# KiCad board uf2-batch-flasher.kicad_pcb (continued)
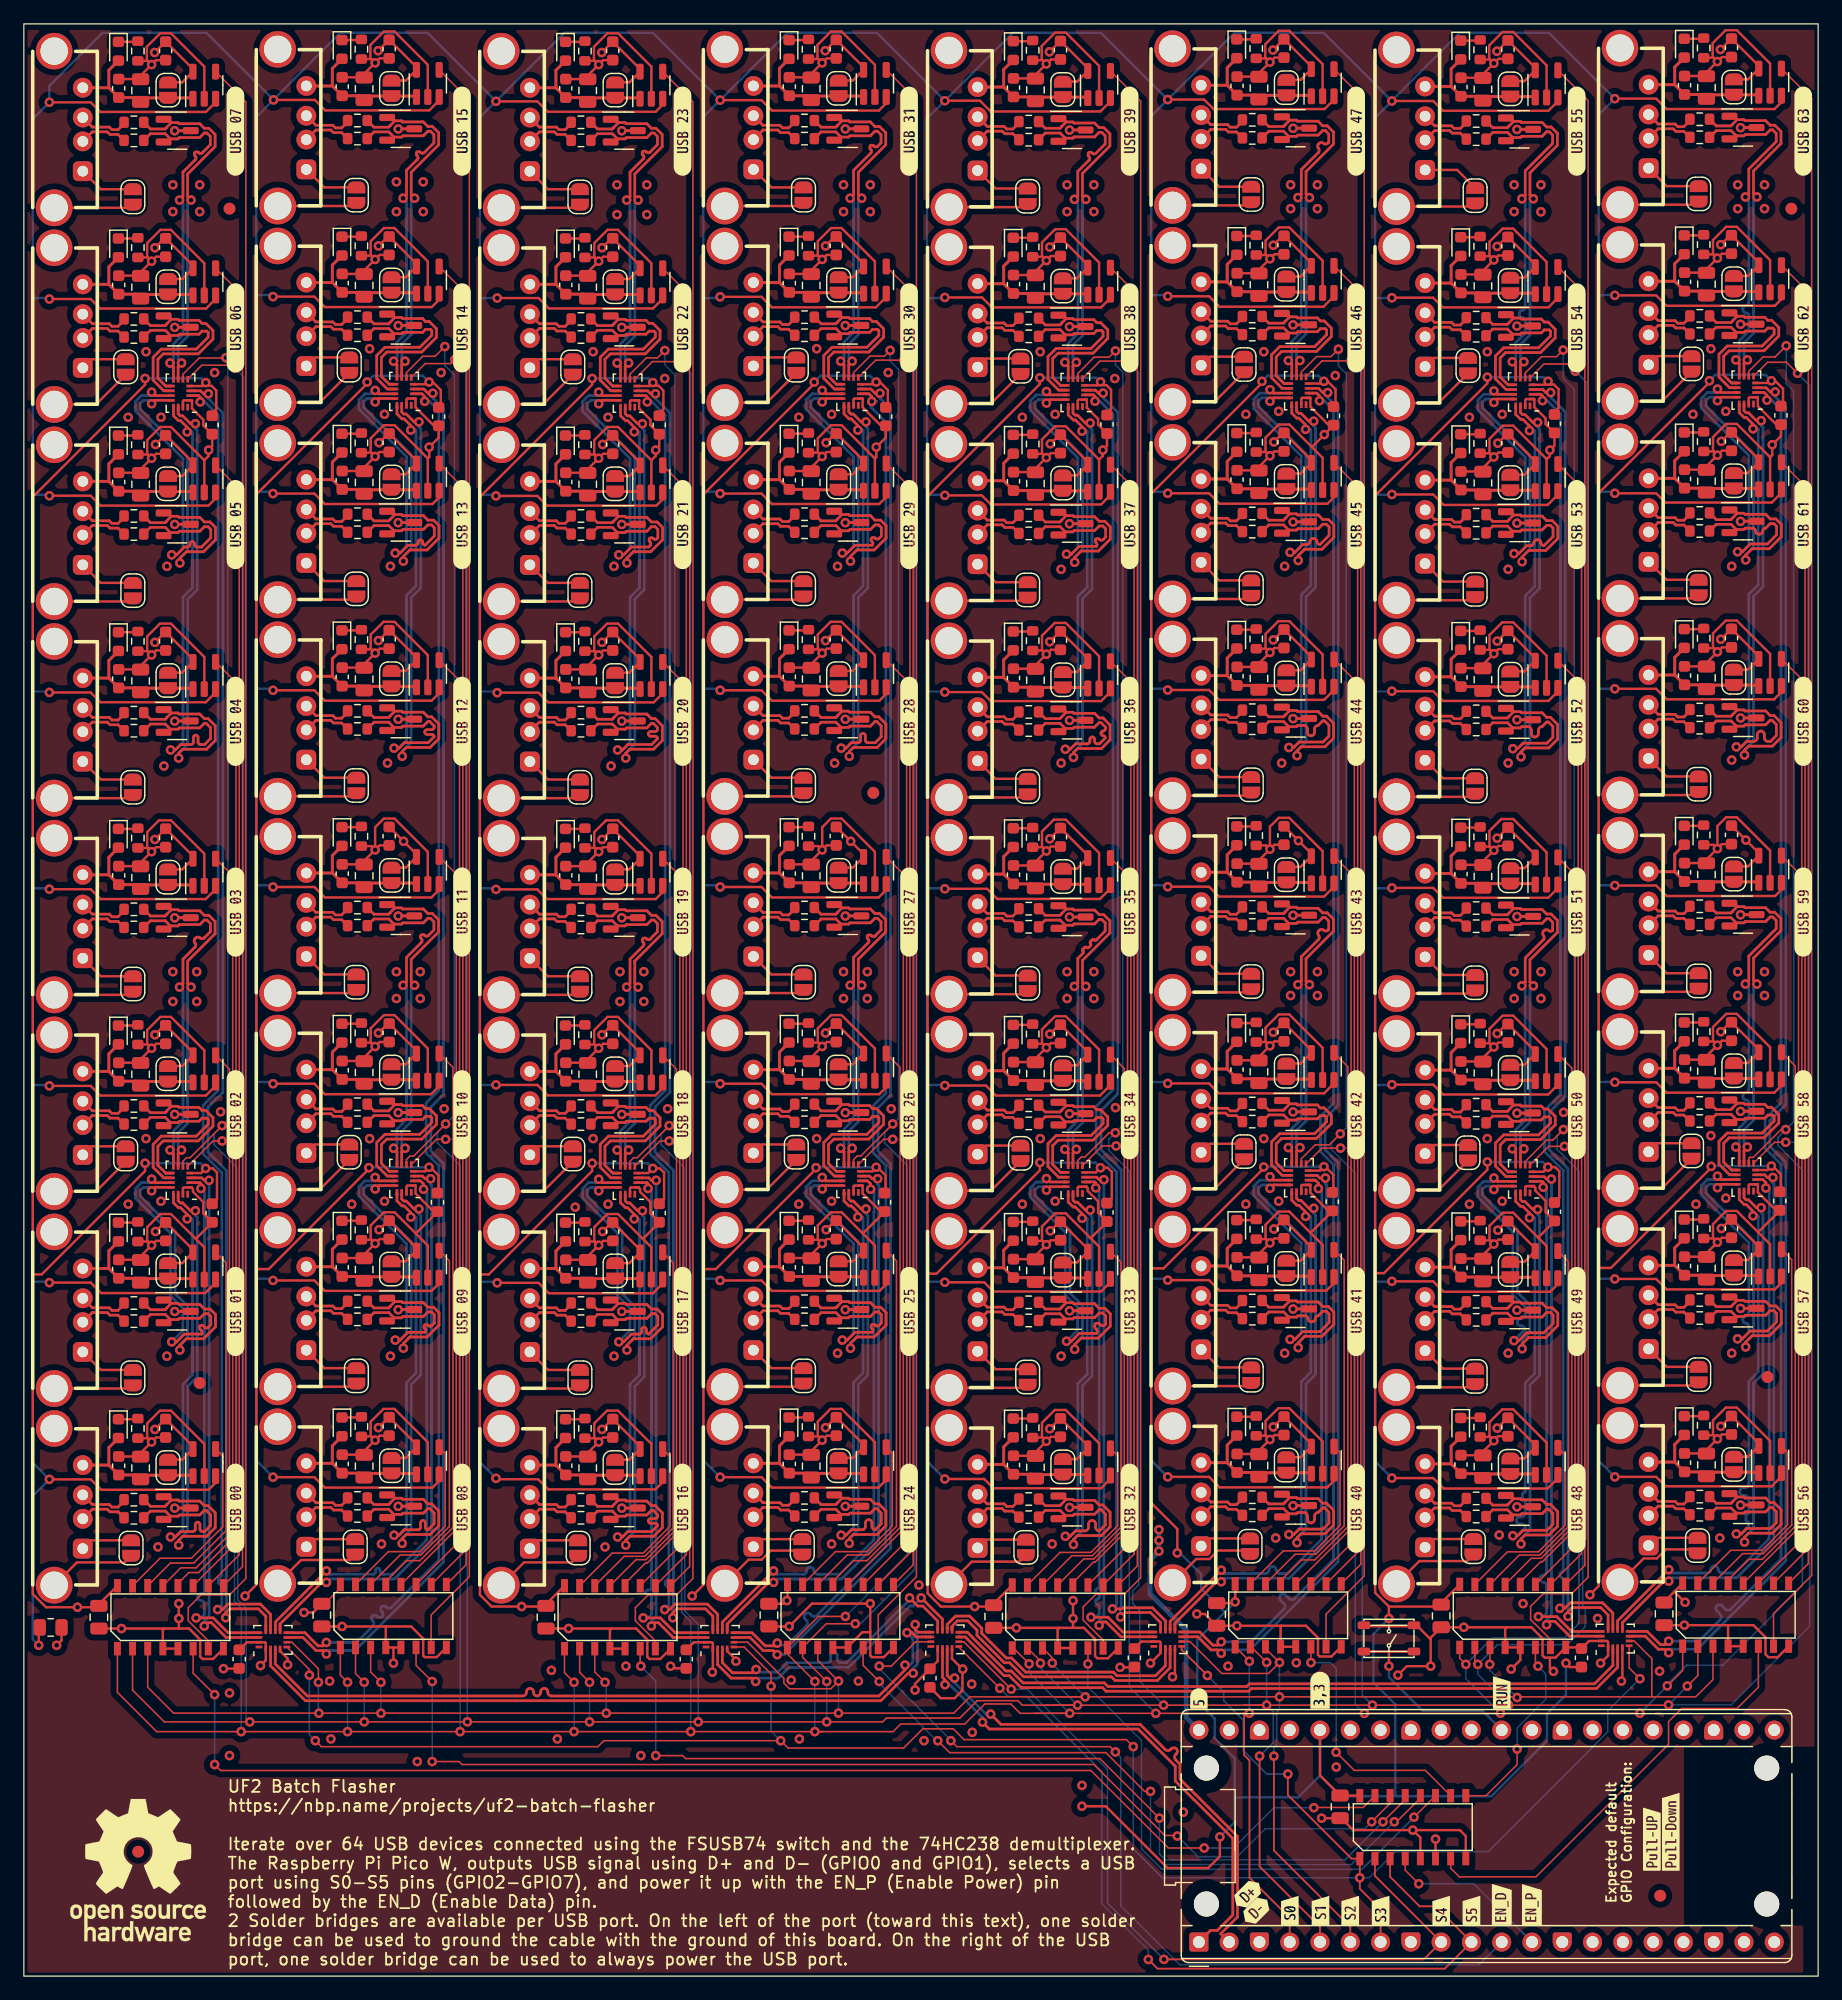
[diagram p0: board, top side]
## Routing (per net, layer and track width the routed paths; a pad name or vN(x,y) marks a point on that pad's centre or on a via; arc(x,y) is an arc through that point) (continued)
/16usb-ports0/EN_04: length 79.7
  Top w0.125: U203.11 17.79,36.34 17.79,108.52 U1001.4
/16usb-ports0/EN_05: length 95.9
  Top w0.125: U901.4 18.07,124.73 18.07,35.35 U203.10
/16usb-ports0/EN_06: length 112.1
  Top w0.125: U1101.4 18.34,140.99 18.34,34.35 U203.9
/16usb-ports0/EN_07: length 137.4
  Top w0.125: U203.7 15.47,28.13 13.79,29.81 13.79,30.91 14.86,31.97 17.24,31.97 18.62,33.35 18.62,157.2 U1201.4
/16usb-ports0/EN_10: length 16.4
  Top w0.125: U202.15 30.58,35.61 33.19,35.61 35.35,37.76 35.35,43.85 U1601.4
/16usb-ports0/EN_11: length 32.1
  Top w0.125: U202.14 31.57,35.33 33.31,35.33 35.69,37.72 35.69,60 U1701.4
/16usb-ports0/EN_12: length 48
  Top w0.125: U202.13 30.36,33.12 32.09,34.85 33.22,34.85 35.99,37.63 35.99,76.22 U1401.4
/16usb-ports0/EN_13: length 63.5
  Top w0.125: U202.12 36.27,37.49 36.27,92.44 U1501.4
/16usb-ports0/EN_14: length 79.7
  Top w0.125: U2201.4 36.54,108.67 36.54,36.49 U202.11
/16usb-ports0/EN_15: length 95.9
  Top w0.125: U202.10 36.82,35.5 36.82,124.88 U2101.4
/16usb-ports0/EN_16: length 112.2
  Top w0.125: U2001.4 37.09,141.14 37.09,34.5 U202.9
/16usb-ports0/EN_17: length 134.7
  Top w0.125: U1901.4 37.37,157.35 37.37,33.5 34.17,30.3 U202.7
/16usb-ports1/4usb-port0/D0+: length 43.7
  Top w0.23: v1(49.8,36.83) 50.2,36.83 50.66,37.29 52.66,37.29 53.16,37.79 arc(53.1,37.93) 52.96,37.99 52.57,37.99 arc(52.43,38.05) 52.37,38.18 arc(52.43,38.32) 52.57,38.38 52.96,38.38 arc(53.1,38.44) 53.16,38.58 53.16,38.7 52.79,39.07 52.64,39.07 52.25,38.68 50.54,38.68 50.43,38.57 49.79,38.57 ; D3602.2 49.53,38.31 49.79,38.57 ; 49.79,38.57 49.36,39.01 48.12,39.01 R3603.2 ; v1(51.2,63.52) 51.2,63.9 50.64,64.46 50.46,64.46 50.05,64.87 50.05,65.42 50.04,65.42 U3101.13
  Bottom w0.23: v1(49.8,36.83) 50.2,36.83 50.85,37.47 50.85,49.64 51.65,50.44 51.65,63.48 51.6,63.52 v1(51.2,63.52)
/16usb-ports1/4usb-port0/D0-: length 43.9
  Top w0.23: 49.87,39.93 49.47,39.54 49.47,39.52 49.35,39.4 48.12,39.4 R3604.2 ; 49.87,39.93 49.59,40.21 D3602.1 ; 49.87,39.93 50.43,39.93 50.52,39.84 52.25,39.84 52.64,39.46 52.96,39.46 53.56,38.86 53.56,37.63 52.82,36.9 50.82,36.9 50.48,36.55 v1(50.48,36.15) ; U3101.14 50.44,65.03 50.62,64.86 50.82,64.86 51.48,64.2 v1(51.88,64.2)
  Bottom w0.23: v1(51.88,64.2) 51.88,63.8 52.04,63.64 52.04,50.28 51.24,49.48 51.24,37.31 50.48,36.55 v1(50.48,36.15)
/16usb-ports1/4usb-port0/D1+: length 30.7
  Top w0.23: U3101.11 49.87,66.55 48.5,66.55 v1(48.22,66.84) ; 49.79,55.07 49.53,54.81 D3402.2 ; 49.79,55.07 49.36,55.5 48.12,55.5 R3403.2 ; 49.79,55.07 50.43,55.07 50.54,55.18 52.26,55.18 52.64,55.56 52.95,55.56 53.18,55.33 53.18,54.63 52.41,53.85 arc(52.27,53.91) 52.21,54.05 52.21,54.23 arc(52.15,54.37) 52.01,54.43 arc(51.87,54.37) 51.81,54.23 51.81,54.05 arc(51.76,53.91) 51.62,53.85 50.96,53.85 50.3,53.2 v1(49.9,53.2)
  Bottom w0.23: v1(48.22,66.84) 47.93,66.55 47.36,66.55 46.86,66.05 46.86,65.26 49.79,62.33 49.79,57.07 50.83,56.03 50.83,54.13 v1(49.9,53.2)
/16usb-ports1/4usb-port0/D1-: length 31
  Top w0.23: v1(48.22,65.87) 48.5,66.16 49.87,66.16 U3101.12 ; D3402.1 49.59,56.71 49.87,56.43 ; R3404.2 48.12,55.9 49.35,55.9 49.47,56.02 49.47,56.03 49.87,56.43 ; 49.87,56.43 50.43,56.43 50.52,56.34 52.26,56.34 52.64,55.96 53.12,55.96 53.57,55.5 53.57,54.46 52.57,53.46 51.12,53.46 50.58,52.92 v1(50.58,52.52)
  Bottom w0.23: v1(50.58,52.52) 50.58,52.92 51.24,53.57 51.24,56.18 50.19,57.23 50.19,62.49 47.26,65.42 47.26,65.89 47.52,66.16 47.93,66.16 v1(48.22,65.87)
/16usb-ports1/4usb-port0/D2+: length 16.2
  Top w0.23: 49.79,71.6 50.43,71.6 50.54,71.71 52.19,71.71 52.44,71.96 52.86,71.96 52.97,71.85 52.97,71.46 51.96,70.45 49.03,70.45 48.35,69.77 48.35,67.85 49.23,66.96 49.45,66.96 49.45,66.96 U3101.10 ; 49.79,71.6 49.36,72.03 48.12,72.03 R3903.2 ; 49.79,71.6 49.53,71.34 D3902.2
/16usb-ports1/4usb-port0/D2-: length 16.5
  Top w0.23: R3904.2 48.12,72.42 49.35,72.42 49.47,72.55 49.47,72.56 49.87,72.96 ; 49.87,72.96 49.59,73.24 D3902.1 ; 49.87,72.96 50.43,72.96 50.52,72.87 52.19,72.87 52.44,72.62 52.76,72.62 53.36,72.01 53.36,71.3 52.12,70.06 49.2,70.06 48.74,69.6 48.74,68.01 49.4,67.35 49.45,67.35 49.45,67.36 U3101.9
/16usb-ports1/4usb-port0/D3+: length 29.7
  Top w0.23: v1(49.76,69.29) 50.05,69 50.05,67.93 U3101.8 ; R4103.2 48.12,88.52 49.36,88.52 49.79,88.09 ; 49.79,88.09 50.43,88.09 50.54,88.2 52.25,88.2 52.64,88.58 52.85,88.58 53.15,88.29 53.15,87.6 52.53,86.98 arc(52.39,86.92) 52.25,86.98 52.2,87.02 arc(52.07,87.08) 51.93,87.02 arc(51.87,86.88) 51.93,86.74 51.97,86.7 arc(52.02,86.56) 51.97,86.42 50.85,85.3 50.85,83.24 v1(50.56,82.96) ; 49.79,88.09 49.53,87.83 D4102.2
  Bottom w0.23: v1(50.56,82.96) 50.85,82.67 50.85,71.69 50.05,70.89 50.05,69.57 v1(49.76,69.29)
/16usb-ports1/4usb-port0/D3-: length 29.9
  Top w0.23: v1(51.53,82.96) 51.24,83.24 51.24,85.14 53.54,87.44 53.54,88.45 53.02,88.98 52.64,88.98 52.25,89.36 50.52,89.36 50.43,89.45 49.87,89.45 ; 49.87,89.45 49.59,89.73 D4102.1 ; 49.87,89.45 49.47,89.05 49.47,89.04 49.35,88.92 48.12,88.92 R4104.2 ; U3101.7 50.44,67.93 50.44,69 v1(50.73,69.29)
  Bottom w0.23: v1(50.73,69.29) 50.44,69.57 50.44,70.73 51.24,71.53 51.24,82.67 v1(51.53,82.96)
/16usb-ports1/4usb-port0/D+: length 44.5
  Top w0.23: U2303.13 56.8,28.81 56.8,28.8 54.63,28.8 53.38,30.05 v1(51.95,30.05) ; v1(52.35,66.07) 52.35,66.47 52.26,66.56 51.84,66.56 51.83,66.56 U3101.2
  Bottom w0.23: v1(51.95,30.05) 52.35,30.05 52.64,30.33 52.64,31.79 arc(52.58,31.93) 52.44,31.99 52.34,31.99 arc(52.2,32.05) 52.14,32.19 arc(52.2,32.32) 52.34,32.38 52.44,32.38 arc(52.58,32.44) 52.64,32.58 52.64,65.78 v1(52.35,66.07)
/16usb-ports1/4usb-port0/D-: length 44.5
  Top w0.23: U2303.14 56.8,28.41 56.8,28.41 54.46,28.41 53.22,29.65 52.92,29.65 v1(52.63,29.37) ; U3101.3 51.83,66.96 51.84,66.95 52.43,66.95 52.63,66.75 v1(53.04,66.75)
  Bottom w0.23: v1(53.04,66.75) 53.04,30.17 52.63,29.77 v1(52.63,29.37)
/16usb-ports1/4usb-port0/usb-port0/Conn_D+: length 4.1
  Top w0.23: J3601.3 43.25,39.17 44.5,39.17 44.72,38.95 45.4,38.95 R3603.1
/16usb-ports1/4usb-port0/usb-port0/Conn_D-: length 4.2
  Top w0.23: R3604.1 45.91,39.85 45.4,39.34 44.88,39.34 44.67,39.56 43.25,39.56 J3601.2
/16usb-ports1/4usb-port0/usb-port1/Conn_D+: length 4.1
  Top w0.23: R3403.1 45.4,55.44 44.72,55.44 44.5,55.66 43.25,55.66 J3401.3
/16usb-ports1/4usb-port0/usb-port1/Conn_D-: length 4.2
  Top w0.23: R3404.1 45.91,56.34 45.4,55.84 44.88,55.84 44.67,56.05 43.25,56.05 J3401.2
/16usb-ports1/4usb-port0/usb-port2/Conn_D+: length 4.1
  Top w0.23: J3901.3 43.25,72.19 44.5,72.19 44.72,71.97 45.4,71.97 R3903.1
/16usb-ports1/4usb-port0/usb-port2/Conn_D-: length 4.2
  Top w0.23: J3901.2 43.25,72.58 44.67,72.58 44.88,72.37 45.4,72.37 45.91,72.87 R3904.1
/16usb-ports1/4usb-port0/usb-port3/Conn_D+: length 4.1
  Top w0.23: R4103.1 45.4,88.46 44.72,88.46 44.5,88.68 43.25,88.68 J4101.3
/16usb-ports1/4usb-port0/usb-port3/Conn_D-: length 4.2
  Top w0.23: R4104.1 45.91,89.36 45.4,88.86 44.88,88.86 44.67,89.07 43.25,89.07 J4101.2
/16usb-ports1/4usb-port1/D0+: length 43.7
  Top w0.23: R2403.2 48.12,105.02 49.36,105.02 49.79,104.59 ; 49.79,104.59 49.53,104.33 D2402.2 ; 49.79,104.59 50.43,104.59 50.54,104.7 52.25,104.7 52.64,105.08 52.79,105.08 53.16,104.71 53.16,104.59 arc(53.1,104.45) 52.96,104.4 52.57,104.4 arc(52.43,104.34) 52.37,104.2 arc(52.43,104.06) 52.57,104 52.96,104 arc(53.1,103.94) 53.16,103.8 52.66,103.3 50.66,103.3 50.2,102.85 v1(49.8,102.85) ; U4001.13 50.04,131.43 50.05,131.43 50.05,130.89 50.46,130.47 50.64,130.47 51.2,129.91 v1(51.2,129.53)
  Bottom w0.23: v1(51.2,129.53) 51.6,129.53 51.65,129.49 51.65,116.45 50.85,115.65 50.85,103.49 50.2,102.85 v1(49.8,102.85)
/16usb-ports1/4usb-port1/D0-: length 43.9
  Top w0.23: 49.87,105.95 49.47,105.55 49.47,105.54 49.35,105.42 48.12,105.42 R2404.2 ; 49.87,105.95 50.43,105.95 50.52,105.86 52.25,105.86 52.64,105.48 52.96,105.48 53.56,104.88 53.56,103.64 52.82,102.91 50.82,102.91 50.48,102.57 v1(50.48,102.17) ; 49.87,105.95 49.59,106.23 D2402.1 ; v1(51.88,130.21) 51.48,130.21 50.82,130.87 50.62,130.87 50.44,131.05 U4001.14
  Bottom w0.23: v1(51.88,130.21) 51.88,129.81 52.04,129.65 52.04,116.29 51.24,115.49 51.24,103.33 50.48,102.57 v1(50.48,102.17)
/16usb-ports1/4usb-port1/D1+: length 30.7
  Top w0.23: v1(49.9,119.21) 50.3,119.21 50.96,119.87 52.41,119.87 52.53,120 arc(52.59,120.14) 52.53,120.27 52.49,120.32 arc(52.44,120.46) 52.49,120.6 arc(52.63,120.65) 52.77,120.6 52.81,120.55 arc(52.95,120.5) 53.09,120.55 53.18,120.64 53.18,121.35 52.95,121.58 52.64,121.58 52.26,121.19 50.54,121.19 50.43,121.08 49.79,121.08 ; U4001.11 49.87,132.57 48.5,132.57 v1(48.22,132.85) ; R3803.2 48.12,121.52 49.36,121.52 49.79,121.08 ; 49.79,121.08 49.53,120.82 D3802.2
  Bottom w0.23: v1(48.22,132.85) 47.93,132.57 47.36,132.57 46.86,132.07 46.86,131.27 50.84,127.29 50.84,119.75 50.3,119.21 v1(49.9,119.21)
/16usb-ports1/4usb-port1/D1-: length 31
  Top w0.23: D3802.1 49.59,122.72 49.87,122.44 ; R3804.2 48.12,121.91 49.35,121.91 49.47,122.03 49.47,122.04 49.87,122.44 ; v1(50.58,118.53) 50.58,118.93 51.12,119.47 52.57,119.47 53.57,120.48 53.57,121.51 53.12,121.97 52.64,121.97 52.26,122.35 50.52,122.35 50.43,122.44 49.87,122.44 ; U4001.12 49.87,132.17 48.5,132.17 v1(48.22,131.89)
  Bottom w0.23: v1(48.22,131.89) 47.93,132.17 47.52,132.17 47.26,131.9 47.26,131.44 51.24,127.46 51.24,119.59 50.58,118.93 v1(50.58,118.53)
/16usb-ports1/4usb-port1/D2+: length 16.2
  Top w0.23: U4001.10 49.45,132.97 49.45,132.97 49.23,132.97 48.35,133.86 48.35,135.78 49.03,136.47 51.96,136.47 52.97,137.47 52.97,137.86 52.86,137.97 52.44,137.97 52.19,137.72 50.54,137.72 50.43,137.61 49.79,137.61 ; D3002.2 49.53,137.35 49.79,137.61 ; 49.79,137.61 49.36,138.04 48.12,138.04 R3003.2
/16usb-ports1/4usb-port1/D2-: length 16.5
  Top w0.23: U4001.9 49.45,133.37 49.45,133.37 49.4,133.37 48.74,134.03 48.74,135.62 49.2,136.07 52.12,136.07 53.36,137.31 53.36,138.03 52.76,138.63 52.44,138.63 52.19,138.88 50.52,138.88 50.43,138.97 49.87,138.97 ; 49.87,138.97 49.59,139.25 D3002.1 ; 49.87,138.97 49.47,138.57 49.47,138.56 49.35,138.44 48.12,138.44 R3004.2
/16usb-ports1/4usb-port1/D3+: length 29.7
  Top w0.23: 49.79,154.1 49.36,154.54 48.12,154.54 R3703.2 ; 49.79,154.1 49.53,153.84 D3702.2 ; 49.79,154.1 50.43,154.1 50.54,154.21 52.25,154.21 52.64,154.6 52.85,154.6 53.15,154.3 53.15,153.62 52.52,152.99 arc(52.38,152.93) 52.24,152.99 52.2,153.03 arc(52.06,153.09) 51.92,153.03 arc(51.86,152.89) 51.92,152.75 51.96,152.71 arc(52.02,152.57) 51.96,152.43 50.85,151.32 50.85,149.26 v1(50.56,148.97) ; U4001.8 50.05,133.94 50.05,135.02 v1(49.76,135.3)
  Bottom w0.23: v1(49.76,135.3) 50.05,135.59 50.05,136.9 50.85,137.7 50.85,148.69 v1(50.56,148.97)
/16usb-ports1/4usb-port1/D3-: length 29.9
  Top w0.23: 49.87,155.46 50.43,155.46 50.52,155.37 52.25,155.37 52.64,154.99 53.02,154.99 53.54,154.47 53.54,153.45 51.24,151.15 51.24,149.26 v1(51.53,148.97) ; 49.87,155.46 49.59,155.74 D3702.1 ; 49.87,155.46 49.47,155.06 49.47,155.05 49.35,154.93 48.12,154.93 R3704.2 ; U4001.7 50.44,133.94 50.44,135.02 v1(50.73,135.3)
  Bottom w0.23: v1(50.73,135.3) 50.44,135.59 50.44,136.74 51.24,137.54 51.24,148.69 v1(51.53,148.97)
/16usb-ports1/4usb-port1/D+: length 111.4
  Top w0.23: U2303.11 58.19,29.4 58.19,29.4 58.19,30.35 57.34,31.2 54.61,31.2 54.15,30.75 v1(53.75,30.75) ; v1(52.29,132.04) 52.29,132.44 52.16,132.57 51.84,132.57 51.83,132.57 U4001.2
  Bottom w0.23: v1(53.75,30.75) 54.09,31.09 54.09,32.54 53.81,32.82 53.81,33.12 54.09,33.4 54.09,67.41 52.54,68.96 52.54,73.04 53.8,74.3 53.8,130.94 52.7,132.04 v1(52.29,132.04)
/16usb-ports1/4usb-port1/D-: length 111.4
  Top w0.23: U4001.3 51.83,132.97 51.84,132.97 52.33,132.97 52.57,132.72 v1(52.97,132.72) ; U2303.12 57.79,29.4 57.8,29.4 57.8,30.19 57.17,30.81 54.77,30.81 54.43,30.47 v1(54.43,30.07)
  Bottom w0.23: v1(52.97,132.72) 52.97,132.32 54.19,131.1 54.19,74.13 52.94,72.88 52.94,69.12 54.49,67.57 54.49,30.93 54.43,30.87 v1(54.43,30.07)
/16usb-ports1/4usb-port1/usb-port0/Conn_D+: length 4.1
  Top w0.23: J2401.3 43.25,105.18 44.5,105.18 44.72,104.96 45.4,104.96 R2403.1
/16usb-ports1/4usb-port1/usb-port0/Conn_D-: length 4.2
  Top w0.23: J2401.2 43.25,105.57 44.67,105.57 44.88,105.36 45.4,105.36 45.91,105.86 R2404.1
/16usb-ports1/4usb-port1/usb-port1/Conn_D+: length 4.1
  Top w0.23: J3801.3 43.25,121.67 44.5,121.67 44.72,121.46 45.4,121.46 R3803.1
/16usb-ports1/4usb-port1/usb-port1/Conn_D-: length 4.2
  Top w0.23: J3801.2 43.25,122.07 44.67,122.07 44.88,121.85 45.4,121.85 45.91,122.36 R3804.1
/16usb-ports1/4usb-port1/usb-port2/Conn_D+: length 4.1
  Top w0.23: J3001.3 43.25,138.2 44.5,138.2 44.72,137.98 45.4,137.98 R3003.1
/16usb-ports1/4usb-port1/usb-port2/Conn_D-: length 4.2
  Top w0.23: R3004.1 45.91,138.88 45.4,138.38 44.88,138.38 44.67,138.6 43.25,138.6 J3001.2
/16usb-ports1/4usb-port1/usb-port3/Conn_D+: length 4.1
  Top w0.23: J3701.3 43.25,154.69 44.5,154.69 44.72,154.48 45.4,154.48 R3703.1
/16usb-ports1/4usb-port1/usb-port3/Conn_D-: length 4.2
  Top w0.23: R3704.1 45.91,155.38 45.4,154.87 44.88,154.87 44.67,155.09 43.25,155.09 J3701.2
/16usb-ports1/4usb-port2/D0+: length 43.7
  Top w0.23: v1(68.55,36.98) 68.95,36.98 69.41,37.44 70.31,37.44 arc(70.5,37.52) 70.58,37.72 70.58,38.02 arc(70.67,38.21) 70.86,38.29 arc(71.05,38.21) 71.14,38.02 71.14,37.72 arc(71.22,37.52) 71.41,37.44 71.41,37.44 71.91,37.94 71.91,38.85 71.54,39.22 71.39,39.22 71,38.83 69.29,38.83 69.18,38.72 68.54,38.72 ; 68.54,38.72 68.28,38.46 D2902.2 ; 68.54,38.72 68.11,39.16 66.87,39.16 R2903.2 ; v1(69.95,63.67) 69.95,64.05 69.39,64.61 69.21,64.61 68.8,65.02 68.8,65.57 68.79,65.57 U3501.13
  Bottom w0.23: v1(69.95,63.67) 70.35,63.67 70.4,63.63 70.4,50.59 69.6,49.79 69.6,37.62 68.95,36.98 v1(68.55,36.98)
/16usb-ports1/4usb-port2/D0-: length 43.9
  Top w0.23: R2904.2 66.87,39.55 68.1,39.55 68.22,39.67 68.22,39.69 68.62,40.08 ; U3501.14 69.19,65.18 69.37,65.01 69.57,65.01 70.23,64.35 v1(70.63,64.35) ; v1(69.23,36.3) 69.23,36.7 69.57,37.05 71.57,37.05 72.31,37.78 72.31,39.01 71.71,39.61 71.39,39.61 71,39.99 69.27,39.99 69.18,40.08 68.62,40.08 ; 68.62,40.08 68.34,40.36 D2902.1
  Bottom w0.23: v1(70.63,64.35) 70.63,63.95 70.79,63.79 70.79,50.43 69.99,49.63 69.99,37.46 69.23,36.7 v1(69.23,36.3)
/16usb-ports1/4usb-port2/D1+: length 30.7
  Top w0.23: v1(66.97,66.99) 67.25,66.7 68.62,66.7 U3501.11 ; 68.54,55.22 68.28,54.96 D3302.2 ; 68.54,55.22 69.18,55.22 69.29,55.33 71.01,55.33 71.39,55.71 71.7,55.71 71.93,55.48 71.93,54.78 71.72,54.57 arc(71.58,54.51) 71.44,54.57 71.4,54.61 arc(71.26,54.67) 71.12,54.61 arc(71.06,54.47) 71.12,54.33 71.16,54.29 arc(71.22,54.15) 71.16,54 69.71,54 69.05,53.35 v1(68.65,53.35) ; 68.54,55.22 68.11,55.65 66.87,55.65 R3303.2
  Bottom w0.23: v1(68.65,53.35) 69.05,53.35 69.59,53.89 69.59,61.43 65.61,65.41 65.61,66.2 66.11,66.7 66.68,66.7 v1(66.97,66.99)
/16usb-ports1/4usb-port2/D1-: length 31
  Top w0.23: D3302.1 68.34,56.86 68.62,56.58 ; R3304.2 66.87,56.05 68.1,56.05 68.22,56.17 68.22,56.18 68.62,56.58 ; v1(69.33,52.67) 69.33,53.07 69.87,53.61 71.32,53.61 72.32,54.61 72.32,55.65 71.87,56.11 71.39,56.11 71.01,56.49 69.27,56.49 69.18,56.58 68.62,56.58 ; v1(66.97,66.02) 67.25,66.31 68.62,66.31 U3501.12
  Bottom w0.23: v1(66.97,66.02) 66.68,66.31 66.27,66.31 66.01,66.04 66.01,65.57 69.99,61.59 69.99,53.72 69.33,53.07 v1(69.33,52.67)
/16usb-ports1/4usb-port2/D2+: length 16.2
  Top w0.23: 68.54,71.75 68.11,72.18 66.87,72.18 R3203.2 ; 68.54,71.75 68.28,71.49 D3202.2 ; 68.54,71.75 69.18,71.75 69.29,71.86 70.94,71.86 71.19,72.11 71.61,72.11 71.72,72 71.72,71.61 70.71,70.6 67.78,70.6 67.1,69.92 67.1,68 67.98,67.11 68.2,67.11 68.2,67.11 U3501.10
/16usb-ports1/4usb-port2/D2-: length 16.5
  Top w0.23: 68.62,73.11 69.18,73.11 69.27,73.02 70.94,73.02 71.19,72.77 71.51,72.77 72.11,72.16 72.11,71.45 70.87,70.21 67.95,70.21 67.49,69.75 67.49,68.16 68.15,67.5 68.2,67.5 68.2,67.51 U3501.9 ; 68.62,73.11 68.22,72.71 68.22,72.7 68.1,72.57 66.87,72.57 R3204.2 ; 68.62,73.11 68.34,73.39 D3202.1
/16usb-ports1/4usb-port2/D3+: length 29.7
  Top w0.23: v1(69.31,83.11) 69.6,83.39 69.6,85.45 70.83,86.68 arc(70.89,86.82) 70.83,86.97 70.79,87.01 arc(70.73,87.15) 70.79,87.29 arc(70.93,87.35) 71.07,87.29 71.11,87.25 arc(71.25,87.19) 71.39,87.25 71.9,87.75 71.9,88.44 71.6,88.73 71.39,88.73 71,88.35 69.29,88.35 69.18,88.24 68.54,88.24 ; 68.54,88.24 68.11,88.67 66.87,88.67 R2803.2 ; 68.54,88.24 68.28,87.98 D2802.2 ; U3501.8 68.8,68.08 68.8,69.15 v1(68.51,69.44)
  Bottom w0.23: v1(69.31,83.11) 69.6,82.82 69.6,71.84 68.8,71.04 68.8,69.72 v1(68.51,69.44)
/16usb-ports1/4usb-port2/D3-: length 29.9
  Top w0.23: D2802.1 68.34,89.88 68.62,89.6 ; v1(69.48,69.44) 69.19,69.15 69.19,68.08 U3501.7 ; 68.62,89.6 69.18,89.6 69.27,89.51 71,89.51 71.39,89.13 71.77,89.13 72.29,88.6 72.29,87.59 69.99,85.29 69.99,83.39 v1(70.28,83.11) ; 68.62,89.6 68.22,89.2 68.22,89.19 68.1,89.07 66.87,89.07 R2804.2
  Bottom w0.23: v1(70.28,83.11) 69.99,82.82 69.99,71.68 69.19,70.88 69.19,69.72 v1(69.48,69.44)
/16usb-ports1/4usb-port2/D+: length 48.2
  Top w0.23: U2303.10 58.59,29.4 58.6,29.4 58.6,29.71 v1(62.88,33.99) ; U3501.2 70.58,66.71 70.59,66.71 70.77,66.71 71.03,66.45 v1(71.03,66)
  Bottom w0.23: v1(62.88,33.99) 63.17,33.71 65.37,33.71 arc(65.58,33.79) 65.67,34.01 65.67,34.01 arc(65.76,34.22) 65.97,34.31 arc(66.18,34.22) 66.27,34.01 66.27,34.01 arc(66.36,33.79) 66.57,33.71 68.41,33.71 71.3,36.59 71.3,64.05 71.31,64.07 71.31,65.72 v1(71.03,66)
/16usb-ports1/4usb-port2/D-: length 48.2
  Top w0.23: v1(71.62,66.88) 71.15,66.88 70.93,67.1 70.59,67.1 70.58,67.11 U3501.3 ; U2303.9 58.99,29.4 58.99,29.4 58.99,29.54 62.47,33.03 v1(62.88,33.03)
  Bottom w0.23: v1(71.62,66.88) 71.62,66.42 71.71,66.33 71.71,63.9 71.69,63.88 71.69,36.43 68.58,33.31 63.17,33.31 v1(62.88,33.03)
/16usb-ports1/4usb-port2/usb-port0/Conn_D+: length 4.1
  Top w0.23: J2901.3 62,39.32 63.25,39.32 63.47,39.1 64.15,39.1 R2903.1
/16usb-ports1/4usb-port2/usb-port0/Conn_D-: length 4.2
  Top w0.23: R2904.1 64.66,40 64.15,39.49 63.63,39.49 63.42,39.71 62,39.71 J2901.2
/16usb-ports1/4usb-port2/usb-port1/Conn_D+: length 4.1
  Top w0.23: J3301.3 62,55.81 63.25,55.81 63.47,55.59 64.15,55.59 R3303.1
/16usb-ports1/4usb-port2/usb-port1/Conn_D-: length 4.2
  Top w0.23: R3304.1 64.66,56.49 64.15,55.99 63.63,55.99 63.42,56.2 62,56.2 J3301.2
/16usb-ports1/4usb-port2/usb-port2/Conn_D+: length 4.1
  Top w0.23: J3201.3 62,72.34 63.25,72.34 63.47,72.12 64.15,72.12 R3203.1
/16usb-ports1/4usb-port2/usb-port2/Conn_D-: length 4.2
  Top w0.23: R3204.1 64.66,73.02 64.15,72.52 63.63,72.52 63.42,72.73 62,72.73 J3201.2
/16usb-ports1/4usb-port2/usb-port3/Conn_D+: length 4.1
  Top w0.23: R2803.1 64.15,88.61 63.47,88.61 63.25,88.83 62,88.83 J2801.3
/16usb-ports1/4usb-port2/usb-port3/Conn_D-: length 4.2
  Top w0.23: R2804.1 64.66,89.51 64.15,89.01 63.63,89.01 63.42,89.22 62,89.22 J2801.2
/16usb-ports1/4usb-port3/D0+: length 43.7
  Top w0.23: 68.54,104.74 69.18,104.74 69.29,104.85 71,104.85 71.39,105.23 71.54,105.23 71.91,104.86 71.91,103.95 71.41,103.45 70.78,103.45 arc(70.64,103.51) 70.58,103.65 70.58,104.04 arc(70.52,104.18) 70.39,104.24 arc(70.25,104.18) 70.19,104.04 70.19,103.65 arc(70.13,103.51) 69.99,103.45 69.41,103.45 68.95,103 v1(68.55,103) ; 68.54,104.74 68.28,104.48 D4302.2 ; 68.54,104.74 68.11,105.17 66.87,105.17 R4303.2 ; v1(69.95,129.68) 69.95,130.06 69.39,130.62 69.21,130.62 68.8,131.04 68.8,131.58 68.79,131.58 U2701.13
  Bottom w0.23: v1(68.55,103) 68.95,103 69.6,103.64 69.6,115.8 70.4,116.6 70.4,129.64 70.35,129.68 v1(69.95,129.68)
/16usb-ports1/4usb-port3/D0-: length 43.9
  Top w0.23: 68.62,106.1 69.18,106.1 69.27,106.01 71,106.01 71.39,105.63 71.71,105.63 72.31,105.03 72.31,103.79 71.57,103.06 69.57,103.06 69.23,102.72 v1(69.23,102.32) ; 68.62,106.1 68.22,105.7 68.22,105.69 68.1,105.57 66.87,105.57 R4304.2 ; 68.62,106.1 68.34,106.38 D4302.1 ; v1(70.63,130.36) 70.23,130.36 69.57,131.02 69.37,131.02 69.19,131.2 U2701.14
  Bottom w0.23: v1(70.63,130.36) 70.63,129.96 70.79,129.8 70.79,116.44 69.99,115.64 69.99,103.48 69.23,102.72 v1(69.23,102.32)
/16usb-ports1/4usb-port3/D1+: length 30.7
  Top w0.23: v1(66.97,133) 67.25,132.72 68.62,132.72 U2701.11 ; 68.54,121.23 69.18,121.23 69.29,121.34 71.01,121.34 71.39,121.73 71.7,121.73 71.93,121.5 71.93,120.79 71.72,120.58 arc(71.58,120.52) 71.44,120.58 71.39,120.62 arc(71.26,120.68) 71.12,120.62 arc(71.06,120.48) 71.12,120.34 71.16,120.3 arc(71.21,120.16) 71.16,120.02 69.71,120.02 69.05,119.36 v1(68.65,119.36) ; 68.54,121.23 68.28,120.97 D2602.2 ; 68.54,121.23 68.11,121.67 66.87,121.67 R2603.2
  Bottom w0.23: v1(66.97,133) 66.68,132.72 66.11,132.72 65.61,132.22 65.61,131.42 69.59,127.44 69.59,119.9 69.05,119.36 v1(68.65,119.36)
/16usb-ports1/4usb-port3/D1-: length 31
  Top w0.23: v1(69.33,118.68) 69.33,119.08 69.87,119.62 71.32,119.62 72.32,120.63 72.32,121.66 71.87,122.12 71.39,122.12 71.01,122.5 69.27,122.5 69.18,122.59 68.62,122.59 ; 68.62,122.59 68.22,122.19 68.22,122.18 68.1,122.06 66.87,122.06 R2604.2 ; 68.62,122.59 68.34,122.87 D2602.1 ; v1(66.97,132.04) 67.25,132.32 68.62,132.32 U2701.12
  Bottom w0.23: v1(66.97,132.04) 66.68,132.32 66.27,132.32 66.01,132.05 66.01,131.59 69.99,127.61 69.99,119.74 69.33,119.08 v1(69.33,118.68)
/16usb-ports1/4usb-port3/D2+: length 16.2
  Top w0.23: R2503.2 66.87,138.19 68.11,138.19 68.54,137.76 ; U2701.10 68.2,133.12 68.2,133.12 67.98,133.12 67.1,134.01 67.1,135.93 67.78,136.62 70.71,136.62 71.72,137.62 71.72,138.01 71.61,138.12 71.19,138.12 70.94,137.87 69.29,137.87 69.18,137.76 68.54,137.76 ; D2502.2 68.28,137.5 68.54,137.76
/16usb-ports1/4usb-port3/D2-: length 16.5
  Top w0.23: 68.62,139.12 68.34,139.4 D2502.1 ; 68.62,139.12 68.22,138.72 68.22,138.71 68.1,138.59 66.87,138.59 R2504.2 ; 68.62,139.12 69.18,139.12 69.27,139.03 70.94,139.03 71.19,138.78 71.51,138.78 72.11,138.18 72.11,137.46 70.87,136.22 67.95,136.22 67.49,135.77 67.49,134.18 68.15,133.52 68.2,133.52 68.2,133.52 U2701.9
/16usb-ports1/4usb-port3/D3+: length 29.7
  Top w0.23: 68.54,154.25 68.11,154.69 66.87,154.69 R4203.2 ; 68.54,154.25 68.28,153.99 D4202.2 ; 68.54,154.25 69.18,154.25 69.29,154.36 71,154.36 71.39,154.75 71.6,154.75 71.9,154.45 71.9,153.77 71.6,153.47 arc(71.46,153.42) 71.32,153.47 71.28,153.52 arc(71.14,153.57) 71,153.52 arc(70.95,153.38) 71,153.24 71.04,153.19 arc(71.1,153.05) 71.04,152.92 69.6,151.47 69.6,149.41 v1(69.31,149.12) ; U2701.8 68.8,134.09 68.8,135.17 v1(68.51,135.45)
  Bottom w0.23: v1(69.31,149.12) 69.6,148.84 69.6,137.85 68.8,137.05 68.8,135.74 v1(68.51,135.45)
/16usb-ports1/4usb-port3/D3-: length 29.9
  Top w0.23: v1(69.48,135.45) 69.19,135.17 69.19,134.09 U2701.7 ; 68.62,155.61 68.34,155.89 D4202.1 ; 68.62,155.61 68.22,155.21 68.22,155.2 68.1,155.08 66.87,155.08 R4204.2 ; 68.62,155.61 69.18,155.61 69.27,155.52 71,155.52 71.39,155.14 71.77,155.14 72.29,154.62 72.29,153.6 69.99,151.3 69.99,149.41 v1(70.28,149.12)
  Bottom w0.23: v1(70.28,149.12) 69.99,148.84 69.99,137.69 69.19,136.89 69.19,135.74 v1(69.48,135.45)
/16usb-ports1/4usb-port3/D+: length 117.3
  Top w0.23: v1(71.12,132.08) 71.12,132.49 70.88,132.72 70.59,132.72 70.58,132.72 U2701.2 ; U2303.8 59.98,28.81 59.99,28.8 61.07,28.8 62.17,27.7 62.96,27.7 v1(63.19,27.94)
  Bottom w0.23: v1(63.19,27.94) 63.38,27.75 64,27.75 65.65,29.4 arc(65.74,29.61) 65.65,29.83 65.53,29.95 arc(65.44,30.16) 65.53,30.37 arc(65.74,30.46) 65.95,30.37 66.08,30.25 arc(66.29,30.16) 66.5,30.25 72.3,36.05 72.3,68 71.24,69.05 71.24,72.99 72.3,74.05 72.3,130.35 71.04,131.6 71.52,132.08 v1(71.12,132.08)
/16usb-ports1/4usb-port3/D-: length 117.3
  Top w0.23: v1(71.8,132.76) 71.4,132.76 71.05,133.12 70.59,133.12 70.58,133.12 U2701.3 ; v1(63.19,26.97) 62.85,27.31 62.01,27.31 60.91,28.41 59.99,28.41 59.98,28.41 U2303.7
  Bottom w0.23: v1(63.19,26.97) 63.78,26.97 72.69,35.88 72.69,68.16 71.64,69.21 71.64,72.83 72.69,73.88 72.69,131.47 71.8,132.36 v1(71.8,132.76)
/16usb-ports1/4usb-port3/usb-port0/Conn_D+: length 4.1
  Top w0.23: J4301.3 62,105.33 63.25,105.33 63.47,105.11 64.15,105.11 R4303.1
/16usb-ports1/4usb-port3/usb-port0/Conn_D-: length 4.2
  Top w0.23: J4301.2 62,105.72 63.42,105.72 63.63,105.51 64.15,105.51 64.66,106.01 R4304.1
/16usb-ports1/4usb-port3/usb-port1/Conn_D+: length 4.1
  Top w0.23: R2603.1 64.15,121.61 63.47,121.61 63.25,121.82 62,121.82 J2601.3
/16usb-ports1/4usb-port3/usb-port1/Conn_D-: length 4.2
  Top w0.23: J2601.2 62,122.22 63.42,122.22 63.63,122 64.15,122 64.66,122.51 R2604.1
/16usb-ports1/4usb-port3/usb-port2/Conn_D+: length 4.1
  Top w0.23: R2503.1 64.15,138.13 63.47,138.13 63.25,138.35 62,138.35 J2501.3
/16usb-ports1/4usb-port3/usb-port2/Conn_D-: length 4.2
  Top w0.23: R2504.1 64.66,139.03 64.15,138.53 63.63,138.53 63.42,138.75 62,138.75 J2501.2
/16usb-ports1/4usb-port3/usb-port3/Conn_D+: length 4.1
  Top w0.23: J4201.3 62,154.84 63.25,154.84 63.47,154.63 64.15,154.63 R4203.1
/16usb-ports1/4usb-port3/usb-port3/Conn_D-: length 4.2
  Top w0.23: R4204.1 64.66,155.53 64.15,155.02 63.63,155.02 63.42,155.24 62,155.24 J4201.2
/16usb-ports1/D+: length 25.3
  Top w0.23: U2303.2 58.19,27.02 58.2,27.01 58.2,26.13 59.32,25 61.09,25 v1(61.38,24.72) ; U102.11 77.05,29.19 77.05,29.19 77.05,29.95 75.28,31.72 v1(75.26,31.72)
  Bottom w0.23: v1(61.38,24.72) 61.66,25 63.28,25 64.18,25.9 69.18,25.9 74.32,31.04 74.58,31.04 v1(75.26,31.72)
